# KiCad board weisse_cpu.kicad_pcb (continued)
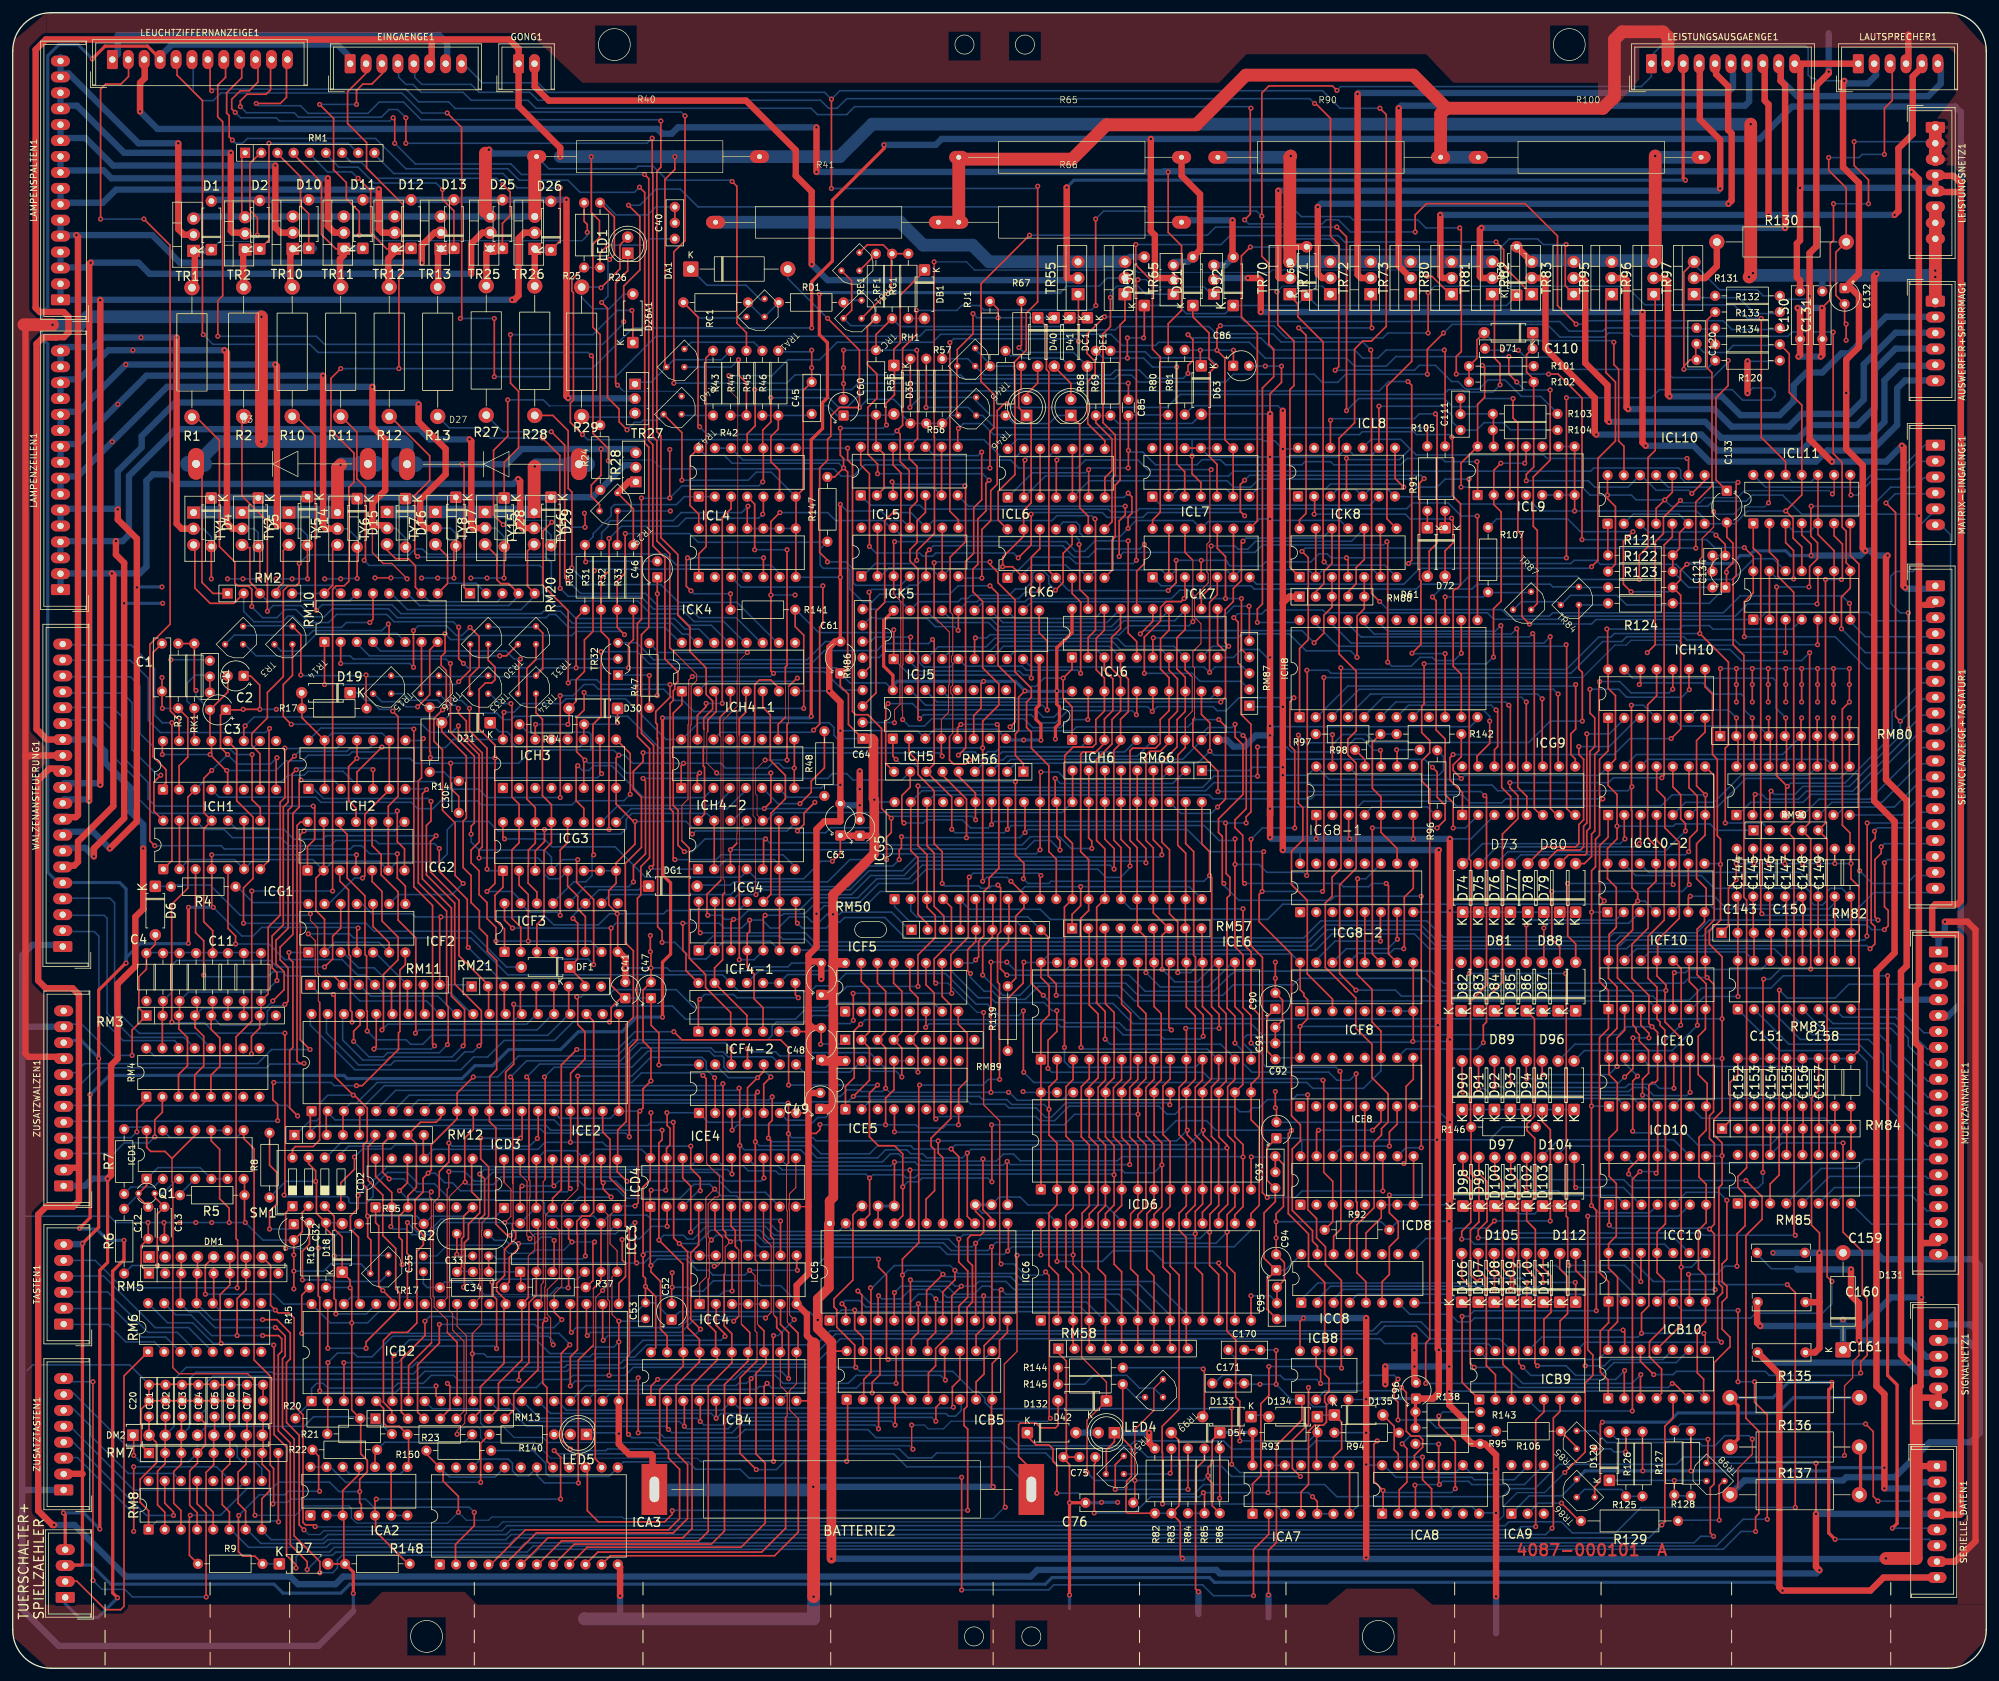
[diagram p0: board, top side]
## Routing (per net, layer and track width the routed paths; a pad name or vN(x,y) marks a point on that pad's centre or on a via; arc(x,y) is an arc through that point) (continued)
SOUND_D1: length 80.6
  Top w0.25: v1(148.54,143.4) 149.69,144.55 149.69,158.77 149.67,158.79 149.67,173.81 150.95,175.1 150.95,182.26 152.2,183.51 v1(152.2,191)
  Bottom w0.25: ICH6.2 167.81,144.67 155.15,144.67 154.43,143.95 153.16,143.95 152.61,143.4 151.59,143.4 151.08,143.91 149.05,143.91 v1(148.54,143.4) ; ICL5.10 144.73,190.45 151.65,190.45 v1(152.2,191)
SOUND_D2: length 76.5
  Top w0.25: ICH6.16 176.56,149.81 v1(176.5,149.75) ; ICL5.5 143.36,181.53 142.07,180.23 142.07,176.81 140.92,175.66 140.92,173.9 142.2,172.62 142.2,149.36 v1(142.45,149.12)
  Bottom w0.25: v1(176.5,149.75) 175.86,150.39 165.69,150.39 163.78,148.48 161.24,148.48 160.61,149.12 160.67,149.06 159.97,149.75 143.08,149.75 v1(142.45,149.12)
SOUND_D3: length 90
  Top w0.15: 147.25,165.89 147.65,165.48 147.65,159.14 147.46,158.95 147.46,158.05 147.65,157.86 147.65,154.39 147.33,154.07 147.33,153.17 147.65,152.85 147.65,146.83 147.15,146.32
  Top w0.25: v1(149.56,185.69) 149.67,185.59 149.67,176.91 147.25,174.5 147.25,165.89 ; v1(138.13,186.33) 138.28,186.18 ICL5.3 ; v1(150.32,142.64) 149.69,142.01 147.78,142.01 147.15,142.64 147.15,146.32
  Bottom w0.25: v1(138.13,186.33) 138.51,185.95 149.3,185.95 v1(149.56,185.69) ; v1(150.32,142.64) 152.99,142.64 153.62,143.28 154.77,143.28 155.4,143.91 174.67,143.91 ICH6.5
SOUND_D4: length 191.4
  Top w0.25: v1(194.52,130.2) 194.52,113.43 196.3,111.65 196.3,74.7 v1(197.06,73.94) ; v1(201.25,152.42) 200.61,151.79 200.61,144.89 201.38,144.12 v1(201.38,131.97) ; 215.2,80.18 215.2,74.97 v1(215.22,74.95) ; v1(137.5,151.5) 137.12,151.12 137.12,142.1 RM56.9 ; v1(179,150.25) 179.1,150.35 ICH6.15
  Bottom w0.25: v1(194.52,130.2) 196.3,131.97 v1(201.38,131.97) ; v1(197.06,73.94) 201.5,73.94 202.52,74.95 v1(215.22,74.95) ; v1(201.25,152.42) 192.61,152.42 190.58,150.39 189.18,150.39 188.55,151.02 179.77,151.02 v1(179,150.25) 178.23,151.02 165.18,151.02 163.53,149.37 161.88,149.37 160.74,150.52 142.32,150.52 141.34,151.5 v1(137.5,151.5)
SOUND_D5: length 147.7
  Top w0.25: v1(190.25,123.25) 190,123.5 190,130.65 189.4,131.25 189.4,133.4 193.25,137.25 193.25,145 192,146.25 v1(192,148.25) ; v1(221.25,121.25) v1(221.25,81.75)
  Bottom w0.25: 179.1,145.7 176.65,143.25 156.14,143.25 155.53,142.64 154.13,142.64 153.5,142.01 152.34,142.01 RM56.4 ; v1(221.25,121.25) 207.67,121.25 207.02,120.6 192.6,120.6 190.25,122.95 v1(190.25,123.25) ; ICH6.6 180.3,147 187,147 187.75,147.75 191.5,147.75 v1(192,148.25) ; v1(221.25,81.75) 218.84,81.75 ICD8.10
SOUND_D6: length 121.9
  Top w0.25: v1(188.04,144.04) 188.04,148.48 186.72,149.81 ICH6.12 ; ICF8.11 213.57,112.17 v1(213.57,131.97) ; v1(223.73,131.97) 225,133.24 225,135.53 223.75,136.78 223.75,140.75 v1(223,141.5)
  Bottom w0.25: RM56.2 157.54,142.13 186.14,142.13 v1(188.04,144.04) 188.68,143.4 199.22,143.4 199.85,142.77 221.73,142.77 v1(223,141.5) ; v1(213.57,131.97) v1(223.73,131.97)
SOUND_D7: length 102.9
  Top w0.25: v1(215.75,123.25) 216.11,122.89 216.11,112.17 ICF8.10 ; v1(193.5,123.25) 193.2,123.55 193.2,130.8 192,132 192,133.25 193.76,135.01 193.76,145.99 v1(193.25,146.5)
  Bottom w0.25: v1(215.75,123.25) 213.5,123.25 213,122.75 209,122.75 208.5,123.25 v1(193.5,123.25) ; ICH6.9 187.92,147 192.75,147 v1(193.25,146.5) ; 186.72,145.7 183.77,142.75 156.78,142.75 156.04,142.01 154.88,142.01 RM56.3
SP_RESET: length 199.9
  Top w0.2: v1(287.74,33.42) 287.74,44.34 289.01,45.61 289.01,48.15 290.02,49.17 290,49.19 v1(290,51.5)
  Top w0.25: v1(164,27.5) 164,31.9 163.4,32.5 163.4,34.44 162.77,35.07 160.74,35.07 159.38,36.43
  Top w1: v1(288.75,62.63) 288.75,58.57 290,57.32 v1(290,51.5)
  Bottom w0.25: 274,65 276.25,62.75 280.25,62.75 ; v1(287.74,33.42) 287.48,33.17 262.46,33.17 261.32,32.02 242.9,32.02 239.1,28.21 235.29,28.21 234.01,26.94 207.98,26.94 206.07,28.85 187.02,28.85 185.54,27.36 167.56,27.36 167.42,27.5 v1(164,27.5)
  Bottom w1: v1(290,51.5) 298,51.5 300.58,48.92 302.5,48.92 ; 280.25,62.75 280.37,62.63 v1(288.75,62.63)
SPALTEN_DIODEN: length 97.3
  Top w1: v1(87.25,199.5) 86.98,199.77 v1(86.98,230.62)
  Bottom w1: 31.4,230.62 v1(86.98,230.62) ; 97.74,199.44 87.31,199.44 v1(87.25,199.5)
SSA: length 67.5
  Top w0.5: v1(286.25,20.25) 285.25,21.25 285.25,43.75 285.75,44.25 v1(285.75,44.9) ; R136.1 271,36 271,41.25 R135.1
  Bottom w0.25: v1(286.25,20.25) 301.05,20.25 302.25,19.05
  Bottom w0.5: R135.1 276.5,42.5 278.9,44.9 v1(285.75,44.9)
SSE: length 52.8
  Top w0.25: v1(291.04,38.38) 292.25,37.16 292.25,27 v1(293,26.25)
  Bottom w0.25: v1(291.04,38.38) 262.01,38.38 R127.2 ; 302.25,26.67 299.17,26.67 298.75,26.25 v1(293,26.25)
START_SOUND: length 177.4
  Top w0.15: 105.11,129.94 105.11,135.53 106.08,136.5 106.08,148.18 106.19,148.29 106.19,155.19 v1(106.75,155.75)
  Top w0.25: 105.11,129.94 106.27,128.78 106.27,111.51 108.83,108.95 108.83,106.92 112.78,102.97 ICF4-2.3 ; ICJ6.19 168.93,168.1 167.59,169.44 167.59,176.41 v1(167.5,176.5) ; v1(120.5,181.5) 119.08,180.08 v1(119.08,168.55) 119.08,156.67 v1(119.5,156.25)
  Bottom w0.25: ICK5.12 139.75,177.75 156.04,177.75 156.04,177.75 156.98,177.75 156.98,177.75 158.58,177.75 158.58,177.75 167,177.75 167.5,177.25 v1(167.5,176.5) ; RM86.4 130.38,153.62 127.5,156.5 119.75,156.5 v1(119.5,156.25) 119,155.75 v1(106.75,155.75) ; 137.88,179.12 136.75,180.25 129.25,180.25 128,181.5 v1(120.5,181.5) ; v1(119.08,168.55) v1(122.89,168.55)
STR: length 357
  Top w0.25: v1(280,25.25) 280,59 v1(278.75,60.25) ; DM1.4 RM5.4 ; RM6.13 28.88,61.86 ; v1(39.25,54.75) 41.5,54.75 43.6,52.65 43.6,48.6 43,48 43,38.6 45,36.6 45,22.5 v1(45.75,21.75)
  Bottom w0.2: 77.65,22.4 76.85,21.6 48.85,21.6 48.25,21 46.5,21 v1(45.75,21.75)
  Bottom w0.25: v1(278.75,60.25) 268.75,60.25 268.25,60.75 257.68,60.75 ICC10.13 ; RM6.13 31.45,54.75 v1(39.25,54.75) ; 77.65,22.4 234.4,22.4 235,23 243.25,23 245,21.25 251.75,21.25 255.75,25.25 v1(280,25.25)
SVA0: length 217.1
  Top w0.25: v1(291.25,115) 291.3,115.05 v1(291.3,132.75)
  Bottom w0.25: v1(291.3,132.75) 298.27,132.75 299.96,134.44 302,134.44 ; ICF4-1.1 110,115 120.5,115 121,114.5 124.5,114.5 125.57,113.43 203.92,113.43 206.48,116 221,116 223.5,113.5 252.5,113.5 253.38,114.38 290.88,114.38 291.25,114.75 v1(291.25,115)
SVA1: length 200.2
  Top w0.25: v1(291.75,113) 292.5,113.75 292.5,116.5 291.93,117.07 291.93,129.69 292.56,130.32 292.56,131.34 v1(292.44,131.47)
  Bottom w0.25: 123.04,112.8 204.68,112.8 207.22,115.34 220.16,115.34 222.5,113 253.5,113 254,113.5 291.25,113.5 v1(291.75,113) ; v1(292.44,131.47) 292.97,132 301.9,132
SVA2: length 199.5
  Top w0.25: ICF4-1.8 122.99,117.26 v1(123.25,117) ; v1(293,117.5) 292.5,118 292.5,127 293.5,128 v1(293.5,129)
  Bottom w0.25: 301.86,129.5 294,129.5 v1(293.5,129) ; v1(123.25,117) 124,116.25 127.75,116.25 128.7,117.2 129.95,117.2 130.65,117.9 137,117.9 140.2,114.7 202.77,114.7 205.44,117.37 222.13,117.37 224.67,114.83 250.83,114.83 251.5,115.5 264.5,115.5 266.5,117.5 v1(293,117.5)
SVA3: length 214.1
  Top w0.25: v1(294,116) 294.6,116.6 294.6,119 294,119.6 v1(294,126.5) ; v1(108,115.5) 107.75,115.75 ICF4-1.14
  Bottom w0.25: v1(108,115.5) 124.5,115.5 125.93,114.07 203.41,114.07 206.07,116.73 221.27,116.73 223.81,114.19 251.69,114.19 252.5,115 265.5,115 267.25,116.75 291.25,116.75 292,116 v1(294,116) ; v1(294,126.5) 294.5,127 301.82,127
SYSCLOCK: length 30.4
  Top w0.25: C33.2 74.75,62.25 ; 79.8,59.8 79.8,62.15 ; 89.95,69.78 v1(89.95,64.75)
  Bottom w0.25: C33.2 75.56,64.75 76.03,64.28 89.48,64.28 v1(89.95,64.75) ; ICC3.1 74.75,62.25
SYSRESET: length 435.7
  Top w0.15: 91.19,59.64 91.19,50.75 91.14,50.69
  Top w0.25: v1(42.75,99.75) 42.75,74.44 v1(42.63,74.32) ; 91.14,50.69 88.84,48.39 88.84,29.12 v1(88.85,29.1) ; ICJ5.1 138.38,163.09 v1(138.38,163.09) ; v1(25,101.5) 24.97,101.53 24.97,119.97 27.5,122.5 27.5,136.82 ICH1.3 ; 91.19,59.64 92.4,60.84 ICC3.6 ICC3.9 ; ICJ6.1 166.39,156.89 v1(165,155.5) 165,152.4 166.4,151 ICH6.1 ; v1(86,136.75) v1(86,152.75) ; ICC4.9 120.6,70.25 v1(120.6,70.25) ; v1(124.25,150.75) 124.25,162.25 122.91,163.59 R141.2
  Bottom w0.25: v1(42.75,99.75) 31.75,99.75 30.12,101.38 25.12,101.38 v1(25,101.5) ; ICA3.22 73.5,32.86 77.84,32.86 78.5,32.2 78.5,31 79.3,30.2 81,30.2 ICA3.18 82.34,30.28 83.52,29.1 v1(88.85,29.1) ; v1(124.25,150.75) 114.36,150.75 113.86,150.25 107,150.25 105.25,152 104,152 102.25,153.75 92,153.75 91.25,154.5 89.75,154.5 88,152.75 v1(86,152.75) ; v1(42.63,74.32) 42.88,74.06 52.53,74.06 52.79,73.81 52.79,73.3 53.04,73.05 55.58,73.05 56.6,74.06 56.6,75.59 58.88,77.87 61.93,77.87 63.71,76.09 66.25,76.09 68.79,73.55 83.01,73.55 83.52,73.05 83.52,71.52 84.03,71.01 91.26,71.01 ICC3.9 93.69,71.16 99.63,71.16 100.28,70.51 120.35,70.51 v1(120.6,70.25) ; v1(165,155.5) 162,155.5 160.7,154.2 159.65,154.2 157.87,155.98 140.9,155.98 ICJ5.1 ; v1(86,136.75) 74.5,136.75 73.18,138.07 67.43,138.07 66.25,139.25 53.5,139.25 51.89,140.86 46.36,140.86 45.75,140.25 43.25,140.25 42.25,139.25 29.93,139.25 ICH1.3 ; 123,166.25 126.6,162.66 137.95,162.66 v1(138.38,163.09)
SZ: length 381.8
  Top w0.5: v1(102.06,102.26) 102.06,110.89 103.33,112.16 103.33,123.34 102.06,124.61 v1(102.06,149.25) ; v1(10.5,69.11) 12.15,70.76 v1(12.15,90.06) ; v1(125.43,149.5) 125.43,192.93 127.21,194.71 127.21,198.78 127.97,199.54 127.97,208.17 126.7,209.44 v1(126.7,215.79) ; v1(17.48,67.2) 17.48,64.16 15.7,62.38 15.7,11.83 v1(16.46,11.07)
  Bottom w0.2: 170.64,217.06 165.56,217.06 164.55,216.05
  Bottom w0.25: 170.64,217.06 171.91,218.33 TR56.2
  Bottom w0.5: v1(17.48,67.2) 14.94,67.2 13.16,68.98 10.62,68.98 v1(10.5,69.11) ; 164.55,216.05 126.95,216.05 v1(126.7,215.79) ; v1(102.06,149.25) 125.18,149.25 v1(125.43,149.5) ; v1(12.15,90.06) 15.19,93.11 52.02,93.11 52.53,92.6 70.57,92.6 72.6,94.64 75.39,94.64 77.93,97.18 86.06,97.18 88.85,99.97 95.71,99.97 98,102.26 v1(102.06,102.26) ; TUERSCHALTER+SPIELZAEHLER1.1 8.25,10.14 10.37,8.02 13.42,8.02 v1(16.46,11.07)
SZ0: length 315.1
  Top w0.15: 188.04,188.04 188.04,177 187.57,176.53 187.57,172.15 187.78,171.94 187.78,170.45 185.63,168.3 185.63,165.06 186.64,164.05 186.64,160.93 185.37,159.66 185.37,157.37 185.63,157.12 185.63,149.25
  Top w0.25: v1(237.82,60.6) 237.8,60.57 D109.1 ; 229,85.09 229,104.75 231.5,107.25 231.5,136.78 v1(231.22,137.05) ; v1(230.52,60.92) 229.89,60.92 229,61.81 229,64.4 228.98,64.43 228.98,68.77 230.3,70.1 D98.1 230.3,76.45 229.07,77.68 229.07,84.99 ; v1(188.25,188.25) 188.04,188.04 ; 185.63,149.25 185.37,148.99 185.37,144.8 189.31,140.86 v1(189.31,137.69)
  Bottom w0.25: 202.4,57.9 205,60.5 230.11,60.5 v1(230.52,60.92) 230.84,61.24 237.19,61.24 v1(237.82,60.6) ; D104.1 D102.1 239.07,71.38 236.52,71.38 D100.1 D97.1 ; v1(188.25,188.25) 178.25,188.25 176.75,189.75 168.5,189.75 167.25,188.5 158,188.5 156.75,189.75 114.7,189.75 ICL4.12 ICL4.13 ; v1(231.22,137.05) 230.59,137.69 v1(189.31,137.69)
SZ1: length 98.9
  Top w0.25: D112.1 245.5,60.55 v1(245.44,60.6) ; v1(240.37,60.6) 240.37,61.62 239.18,62.81 239.18,68.9 237.8,70.28 D101.1 239.07,73.88 239.07,83.23 237.82,84.48 237.82,85.49 239.02,86.69 239.02,101.97 D85.1
  Bottom w0.25: 204.94,57.94 207,60 230.88,60 231.48,60.6 235.92,60.6 236.65,59.87 239.64,59.87 v1(240.37,60.6) v1(245.44,60.6) ; D85.1 D88.1
SZ2: length 82.3
  Top w0.25: v1(232.75,59.33) 232.75,61.49 231.48,62.76 231.48,68.98 v1(232.75,70.25) ; D94.1 240.25,85.86 241.52,84.59 241.52,70.27 v1(241.51,70.25)
  Bottom w0.25: D89.1 D96.1 ; v1(232.75,59.33) 232.57,59.5 209,59.5 207.48,57.98 ; v1(241.51,70.25) v1(232.75,70.25)
SZ3: length 34.6
  Bottom w0.25: D108.1 236.46,58.73 239.17,58.73 D110.1 D111.1 ; D105.1 235.23,57.5 ; 210.02,57.52 211.25,58.75 226,58.75 227.25,57.5
SZ4: length 239.6
  Top w0.2: 265.38,175.66 265.38,177.44 267.16,179.22 v1(267.16,181.63) ; ICL11.13 275.94,183.17 v1(275.8,183.03)
  Top w0.25: 265.38,175.66 265.38,174.52 265,174.13 v1(265,162.5) 269.5,158 269.5,145 269,144.5 v1(269,132.75) ; v1(208.62,157.12) 208.63,157.1 208.63,125.63 207.25,124.25 207.25,121.25 206.17,120.17 206.17,110.08 210.97,105.28 210.97,100.53 213.51,97.99 213.51,92.74 216.05,90.2 216.05,85.8 215,84.75 215,83.75 213.84,82.59 213.84,72.34 211.15,69.65 211.15,62.1 212.56,60.69 ICC8.5
  Bottom w0.2: v1(275.8,183.03) 275.16,182.39 271.48,182.39 270.34,181.25 267.54,181.25 v1(267.16,181.63)
  Bottom w0.25: v1(265,162.5) 251.59,162.5 251.03,161.95 249.13,161.95 244.05,156.87 208.87,156.87 v1(208.62,157.12) ; v1(269,132.75) 274.83,132.75 RM90.2
SZ5: length 251.7
  Top w0.2: v1(285.83,184.43) 286.1,184.69 ICL11.9
  Top w0.25: v1(274.91,77.87) 274.93,77.89 274.93,108.11 v1(275.04,108.22) ; v1(261.95,183.41) 259.29,180.74 259.29,178.2 258,176.91 258,160.75 v1(256.75,159.5) ; v1(282.43,109.82) 282.43,130.24 RM90.4 282.25,132.79 v1(282.25,159.5) ; ICC8.6 215.1,60.7 216.24,61.83 216.24,66.19 217.63,67.58 217.63,70.12 216.24,71.52 v1(216.24,74.32)
  Bottom w0.2: v1(285.83,184.43) 285.32,184.93 271.99,184.93 270.89,183.83 265.81,183.83 265,183.03 262.34,183.03 v1(261.95,183.41)
  Bottom w0.25: v1(282.43,109.82) 277.65,109.82 276.05,108.22 v1(275.04,108.22) ; v1(256.75,159.5) 258,160.75 261.25,160.75 262,160 269.75,160 271.5,158.25 281,158.25 v1(282.25,159.5) ; v1(216.24,74.32) 234.01,74.32 236.43,76.73 253.06,76.73 254.33,75.46 274.15,75.46 274.91,76.22 v1(274.91,77.87)
SZ6: length 197.6
  Top w0.25: ICL11.6 286.1,177.85 287.4,176.55 287.4,171.15 v1(287.25,171) ; v1(285.75,60.75) 285,61.5 285,130.2 RM90.5 284.75,132.75 v1(284.75,171)
  Bottom w0.25: v1(284.75,171) v1(287.25,171) ; ICC8.7 219.44,55.6 225.8,55.6 227,54.4 229,54.4 229.6,55 273,55 273.75,55.75 284.25,55.75 285.75,57.25 v1(285.75,60.75)
SZ7: length 176.2
  Top w0.25: ICL11.2 275.94,175.31 277.25,174 277.25,171.5 279.75,169 279.75,132.83 RM90.3 279.8,130.32 279.8,68.2 v1(280,68)
  Bottom w0.25: 220.18,65.68 222,67.5 225,67.5 226.61,69.11 231.73,69.11 232.49,68.35 265.15,68.35 265.5,68 v1(280,68)
SZin: length 53.4
  Top w0.25: ICK6.5 166.41,168.79 167.75,167.45 v1(167.75,156.25)
  Bottom w0.25: 133.55,158.75 136.1,158.75 137.27,159.91 141.43,159.91 142.33,159.01 142.33,158.03 143.12,157.25 147.29,157.25 ICJ5.5 149.67,157.38 158.58,157.38 159.2,156.75 167.25,156.75 v1(167.75,156.25)
TIME_CLOCK: length 116.5
  Top w0.25: v1(40.85,25.8) 40.97,25.93 40.97,31.39 40.45,31.92 40.45,45.88 37.91,48.42 37.91,81.57 36.28,83.21 ICD1.8 ; 69.55,16.39 69.55,19.45 72.5,22.4 v1(72.5,24.5)
  Bottom w0.25: ICD1.8 35.15,83.35 24.7,83.35 ICD1.13 ; v1(72.5,24.5) 71.71,25.29 56.71,25.29 55.44,26.56 43.64,26.56 43.13,26.06 41.1,26.06 v1(40.85,25.8)
TS: length 364.3
  Top w0.25: DM1.6 RM5.6 34.1,60.2 32.59,58.69 32.59,51.16 v1(32.75,51) ; v1(269.25,73.5) 269.25,64.25 268.5,63.5 268.5,60.75 269.25,60 269.25,58.25 268.5,57.5 268.5,53.25 269.75,52 269.75,50.5 267.25,48 267.25,28.94 266.65,28.34 266.65,21.23 v1(267.16,20.72) ; v1(44.5,15.75) 44.5,16.25 43,17.75 43,34.75 41.05,36.7 41.05,50.7 v1(41,50.75)
  Bottom w0.25: RM6.16 24.33,54.25 28.25,54.25 31.5,51 v1(32.75,51) 40.75,51 v1(41,50.75) ; v1(269.25,73.5) 268,74.75 262.87,74.75 ICD10.5 ; v1(44.5,15.75) 44.5,17.5 45.25,18.25 49.75,18.25 50.5,19 79.77,19 80.47,19.71 264.11,19.71 265.13,20.72 v1(267.16,20.72)
TS0: length 37.4
  Top w0.25: 278.62,141.87 278.62,146.14 ; 278.5,146.54 v1(278.5,149.25)
  Bottom w0.25: v1(278.5,149.25) 277,150.75 277,155 276.5,155.5 254.44,155.5 253.51,156.42
TS1: length 23.4
  Top w0.25: v1(275.75,149.25) 275.82,149.18 RM80.4 ; 276.08,141.87 276.08,146.14
  Bottom w0.25: ICH10.5 262.03,147.98 274.24,147.98 RM80.4
TS2: length 30.9
  Top w0.25: ICH10.12 255.68,154.68 v1(255.5,154.5) ; v1(273.25,149.25) 273.28,149.22 RM80.3 ; 273.54,141.87 273.54,146.14
  Bottom w0.25: v1(273.25,149.25) 272,150.5 272,152.5 271.5,153 267.22,153 265.47,154.75 255.75,154.75 v1(255.5,154.5)
TS3: length 15.6
  Top w0.25: 271,141.87 271,146.14 ; v1(270.75,149.25) 270.75,146.41
  Bottom w0.25: v1(270.75,149.25) 269.5,150.5 264.55,150.5 ICH10.6
TS4: length 36.6
  Top w0.25: v1(281,149.25) 280.9,149.15 RM80.6 ; 281,142.03 281,145.98
  Bottom w0.25: RM80.6 278,143.5 255.02,143.5 ICG10-1.13
TS5: length 32.3
  Top w0.25: 283.5,142.07 283.5,145.94 ; v1(283.5,149.25) 283.44,149.19 RM80.7
  Bottom w0.25: RM81.11 282.08,140.25 271.5,140.25 267.25,136 262.75,136 261.46,134.71 261.46,134
TS6: length 38.1
  Top w0.25: RM80.8 285.98,149.23 v1(286,149.25) ; 286,142.11 286,146.14
  Bottom w0.25: RM81.10 284.87,142.75 256.81,142.75 ICG10-1.12
TS7: length 34.9
  Top w0.25: 288.5,142.15 288.5,145.86 ; RM80.9 288.52,149.23 v1(288.5,149.25)
  Bottom w0.25: 288.87,141.62 287,139.75 272.25,139.75 267.8,135.3 264.8,135.3 264,134.5 264,134
TxD: length 243.4
  Top w0.25: ICE2.23 91.25,101.62 91.25,71.63 90.63,71.01 89.41,71.01 88.6,70.2 88.6,68.22 88.71,68.12 88.71,50.04 87.58,48.92 v1(87.58,44.34) ; v1(226.6,28.2) 226.6,35.6 224,38.2 v1(224,39.6) ; v1(98.25,45.61) v1(98.25,36.98) ; 215.25,24.44 v1(215.25,27.93) 213.82,29.36 213.82,35.2 v1(214.33,35.71)
  Bottom w0.25: v1(98.25,45.61) 97.74,45.11 88.35,45.11 v1(87.58,44.34) ; v1(98.25,36.98) 101.55,36.98 102.32,36.22 113.75,36.22 115.02,37.49 134.32,37.49 135.59,36.22 156.67,36.22 157.94,34.95 175.47,34.95 176.23,35.71 190.2,35.71 191.47,34.44 203.41,34.44 204.68,35.71 v1(214.33,35.71) ; R138.2 224.65,40.25 v1(224,39.6) ; v1(226.6,28.2) 226,27.6 215.58,27.6 v1(215.25,27.93)
TZ4: length 32.1
  Bottom w0.25: ICL11.14 275.32,185.5 290,185.5 292.75,188.25 296.5,188.25 300.33,192.08 MATRIX-EINGAENGE1.1
TZ5: length 18.7
  Top w0.25: ICL11.8 288.64,184.36 v1(288.75,184.25)
  Bottom w0.25: 302,189.54 299.04,189.54 296.25,186.75 292.25,186.75 289.75,184.25 v1(288.75,184.25)
TZ6: length 68.2
  Top w0.25: ICL11.7 288.64,174.76 290,173.4 290,125.35 v1(290.1,125.25)
  Bottom w0.25: 301.78,124.5 298.76,124.5 297.51,123.25 292.1,123.25 v1(290.1,125.25)
TZ7: length 90.6
  Top w0.25: v1(274.75,118.5) 274.56,118.69 274.56,174.78 273.4,175.95 ICL11.1
  Bottom w0.25: 301.93,121.81 292.31,121.81 288.74,118.25 275,118.25 v1(274.75,118.5)
UG: length 132.4
  Top w1: TR80.2 224.62,218.33 224.24,218.72 v1(224.24,228.24) ; v1(295.6,228.25) 296.2,228.85 296.2,238.7 298.45,240.95 298.45,250 300.31,251.86 ; v1(275.8,228.25) 275.8,245.6 275.2,246.2 275.2,251.98
  Bottom w1: v1(295.6,228.25) v1(275.8,228.25) 224.25,228.25 v1(224.24,228.24)
UGin: length 91.3
  Top w0.15: 138.38,168.68 139.49,167.57 139.49,157.76 139.36,157.63 139.36,151.37 138.5,150.5 v1(138.5,148.5)
  Top w0.25: ICK5.3 138.38,176.8 v1(138.51,176.93) ; 138.38,171.5 138.38,168.68 ; v1(175.21,177.06) 175.21,162.58 176.55,161.25 ICJ6.5
  Bottom w0.25: v1(138.51,176.93) 165.44,176.93 166.96,175.41 168.36,175.41 170.01,177.06 v1(175.21,177.06) ; v1(138.5,148.5) 138.46,148.54 RM86.2
UHR: length 4.2
  Top w0.25: 64.5,107 64.5,102.76
UM: length 93.6
  Top w1: TR72.2 211.79,218.33 211.25,218.87 v1(211.25,247.25)
  Bottom w1: 270.21,251.89 270.21,248.31 269.3,247.4 211.4,247.4 v1(211.25,247.25)
UMin: length 49.5
  Top w0.25: ICK8.12 207.22,173.5 205.95,172.23 205.95,170.33 204.68,169.06 RM88.2 ; v1(193.25,177) 192.99,176.74 192.99,170.84 191.72,169.57 191.72,167.53 190.45,166.26 190.45,161.05 v1(191,160.5)
  Bottom w0.25: ICK8.12 205.72,177.5 193.75,177.5 v1(193.25,177) ; ICJ6.9 188.46,160.5 v1(191,160.5)
US: length 105.9
  Top w1: v1(268.2,232.4) 268.2,240.05 265,243.25 265,251.98 ; TR70.2 198.96,218.33 198.8,218.5 v1(198.8,232.05)
  Bottom w1: v1(198.8,232.05) 267.85,232.05 v1(268.2,232.4)
USin: length 50
  Top w0.25: ICJ6.6 179.09,161.76 v1(179.15,161.82) ; ICK8.5 RM88.5 212.3,166.39 211.15,165.25 v1(211.15,158.77)
  Bottom w0.25: v1(211.15,158.77) 210.14,159.79 203.15,159.79 200.49,162.46 193.12,162.46 192.49,161.82 v1(179.15,161.82)
WriteRAM: length 213.2
  Top w0.25: 151.25,72.75 151.25,71.75 152.5,70.5 152.5,68.5 152,68 150.5,68 150,67.5 150,64 150.75,63.25 150.75,57.5 149.9,56.65 149.9,41.13 149.43,40.66 149.43,38.12 150,37.55 v1(150,24.8) ; v1(164.04,63.9) 164.04,69.96 ; v1(192.74,35.71) 192.74,41.93 192.11,42.57 192.11,51.58 190.71,52.98 190.71,62 189.44,63.27 v1(189.44,63.65) ; 90.26,31.24 90.26,24.74 92,23 102.4,23 103.6,24.2 v1(103.6,24.75) ; 204.8,31.98 204.8,36.89
  Bottom w0.25: v1(164.04,63.9) 171.15,63.9 172.8,65.55 179.02,65.55 180.93,63.65 v1(189.44,63.65) ; 164,70 162.5,71.5 152.25,71.5 151.25,72.5 ; v1(192.74,35.71) 203.62,35.71 R93.2 ; v1(103.6,24.75) 103.65,24.8 v1(150,24.8)
ZE0: length 246.7
  Top w0.25: v1(19,33.42) 19,33.43 19,36.47 ; RM8.4 28.96,24.44 27.8,25.6 27.8,31 29.02,32.22 RM7.4 30.26,35.04 30.26,38.42 C23.1
  Bottom w0.25: ICB9.13 231.72,51 215.5,51 214.75,51.75 130,51.75 126,47.75 96.58,47.75 95.97,47.14 87.58,47.14 87.08,46.63 64.72,46.63 63.45,45.36 40.47,45.36 39.96,45.87 31.45,45.87 30.43,44.85 30.43,40.79 C23.1 ; v1(19,33.42) 20.02,32.41 26.62,32.41 26.37,32.41 27.63,32.41 RM7.4
ZE1: length 240.6
  Top w0.25: v1(239.22,22.25) 239.22,38.97 240.52,40.27 ICB9.5 ; C27.1 39.32,33.94 ; RM7.8 39.18,32.04 40.34,30.88 40.34,27.83 39.12,26.61 RM8.8
  Bottom w0.25: v1(239.22,22.25) 236.94,22.25 236.43,21.74 78.24,21.74 77.5,21 49.5,21 48.7,20.2 40.6,20.2 39.12,21.68
ZE2: length 240.9
  Top w0.25: RM8.3 26.42,24.78 25.29,25.9 25.29,30.89 26.48,32.08 RM7.3 26.48,36.58 ; DM2.4 26.5,39.42
  Bottom w0.25: DM2.4 27.72,37.82 27.72,45.44 28.78,46.5 40.72,46.5 40.97,46.25 62.95,46.25 63.96,47.26 86.69,47.26 87.08,47.65 95.2,47.65 95.97,48.41 125.16,48.41 129.25,52.5 214.25,52.5 215.5,53.75 220.5,53.75 222.5,51.75 233.51,51.75 ICB9.12
ZE3: length 246.2
  Top w0.25: v1(241.8,22) 242,22.2 242,39.3 243.06,40.36 ICB9.6 ; RM8.7 36.58,24.74 35.4,25.92 35.4,30.8 36.64,32.04 RM7.7 36.64,36.58 ; C26.1 36.78,36.72
  Bottom w0.25: 36.78,21.8 38.98,19.6 48.85,19.6 49.45,20.2 77.45,20.2 78.25,21 240.8,21 v1(241.8,22)
ZE4: length 263
  Top w0.25: RM8.2 23.88,24.52 22.75,25.65 22.75,30.95 23.94,32.14 RM7.2 23.94,36.58 ; v1(252.94,53.11) 253.2,52.85 253.2,50.08 ; C21.1 24,36.64
  Bottom w0.25: v1(252.94,53.11) 222.49,53.11 221.2,54.4 215,54.4 213.6,53 128.4,53 126.2,50.8 99.6,50.8 97.66,48.86 91.86,48.86 91.2,48.2 86.06,48.2 85.89,48.03 63.45,48.03 62.69,47.26 27.26,47.26 25.35,45.36 25.35,37.99 23.96,36.6
ZE5: length 266.5
  Top w0.25: RM8.6 34.04,24.56 32.91,25.69 32.91,30.92 34.1,32.1 RM7.6 34.1,36.58 ; v1(259.03,22.5) 259.5,22.97 259.5,38 260.81,39.31 260.81,42.35 ; 34.12,36.6 34.12,39.39
  Bottom w0.25: 34.24,21.8 37.04,19 49.25,19 49.85,19.6 78.1,19.6 78.97,20.47 257,20.47 v1(259.03,22.5)
ZEILEN_DIODEN: length 121.5
  Top w0.25: v1(78.19,209.44) 78.19,201.82 79.46,200.55 79.46,191.66 77.2,189.41 D28.1 ; v1(97.25,213.25) 97.4,213.1 D26A1.1
  Bottom w0.25: v1(78.19,209.44) 91.14,209.44 94.95,213.25 97.25,213.25 v1(97.25,213.25)
  Bottom w1: 31.31,183.9 84.52,183.9 ; D29.1 91.08,183.92 96.1,188.94 97.87,188.94
ZEILEN_STATUS: length 92.5
  Top w0.25: v1(117.81,181.25) 117.91,181.35 ICL4.5 ; v1(93.68,131.72) 93.65,131.75 93.65,161.59 92.41,162.84 R31.1 92.41,171.09 93.68,172.36 v1(93.68,177.44) ; v1(83.52,131.72) 83.52,129.81 82.08,128.38 ICG3.3
  Bottom w0.25: v1(117.81,181.25) 117.18,180.62 105.75,180.62 104.47,179.34 95.59,179.34 v1(93.68,177.44) ; v1(83.52,131.72) v1(93.68,131.72)
ZEM1: length 28.9
  Top w0.25: RM83.15 273.51,115.47 ; C144.1 273.4,115.58
  Bottom w0.25: RM83.15 272.13,112.5 257.09,112.5 ICF10.12
ZEM2: length 24
  Top w0.25: 270.97,115.47 RM83.16 270.97,105.53 v1(271,105.5) ; 271,121 271,115.56
  Bottom w0.25: 263.41,103.2 265.71,105.5 v1(271,105.5)
~{ANZEIGEN}: length 236.9
  Top w0.25: ICL7.9 190.4,192.93 190.4,205.75 v1(189.15,207) 189.15,210.3 v1(189.69,210.84) ; ICL11.10 ICL11.5 283.56,178.06 286.1,175.52 ICK11.9 ICK11.6 ; v1(186.55,207) 186.55,204.7 ; 191.75,204.6 v1(191.75,207) ; ICK11.2 ICK11.13 ; ICL11.12 278.48,189.49 274.65,193.31 v1(274.65,211.98) ; v1(279.74,171.09) 279.74,175.53 278.48,176.79 ICL11.3 ; v1(222.33,209.7) v1(222.33,216.05) ; ICL7.6 191.71,190.98 ; ICL7.2 ICL7.13
  Bottom w0.2: v1(222.33,216.05) 223.34,217.05 253.46,217.05 256.38,214.12
  Bottom w0.25: ICK11.13 277.17,171.09 v1(279.74,171.09) ; 184.16,207 v1(186.55,207) v1(189.15,207) v1(191.75,207) ; 191.95,183.88 190.58,185.25 183.16,185.25 181.79,183.88 ; v1(222.33,209.7) 215.98,209.7 215.22,208.94 199.98,208.94 198.07,210.84 v1(189.69,210.84) ; ICL11.3 279.78,178.5 282.26,178.5 ICL11.5 ; v1(274.65,211.98) 272.5,211.98 270.36,214.12 256.38,214.12 ; ICL11.12 279.61,186.29 282.43,186.29 ICL11.10
~{B0}: length 184.3
  Top w0.25: v1(22.31,129.18) 21.54,129.94 21.54,160.8 24.72,163.98 24.72,223.48 v1(20.6,227.6) ; v1(60.41,127.91) 60.41,124.1 61.68,122.83 ICF2.8 ; v1(13.8,227.6) 13.8,248 14.6,248.8 17,248.8 18.19,249.99 18.19,252.65
  Bottom w0.25: v1(22.31,129.18) 32.72,129.18 33.23,128.67 53.04,128.67 53.55,129.18 54.82,129.18 56.09,127.91 v1(60.41,127.91) ; v1(13.8,227.6) v1(20.6,227.6)
~{BLANKING}: length 285.6
  Top w0.25: v1(156.67,147.85) 157.43,148.61 157.43,154.83 154.77,157.5 154.77,168.73 v1(153.5,170) ; v1(189.25,135.25) 190.5,136.5 190.5,147.93 v1(189.44,148.99) ; v1(67.9,162.45) 67.9,159.5 67.3,158.9 67.3,157.5 68.1,156.7 68.1,151.1 v1(67.52,150.52) 66.15,149.15 66.15,145.6 67.5,144.25 67.5,134.75 69.5,132.75 69.5,124.5 v1(70.75,123.25) ; v1(36.5,148) 36.3,147.8 ICH1.11 ; v1(96.22,178.2) 96.2,178.18 96.2,172 94.95,170.75 R32.1 94.95,163.47 v1(96.09,162.33)